# KiCad board Panel2.kicad_pcb (continued)
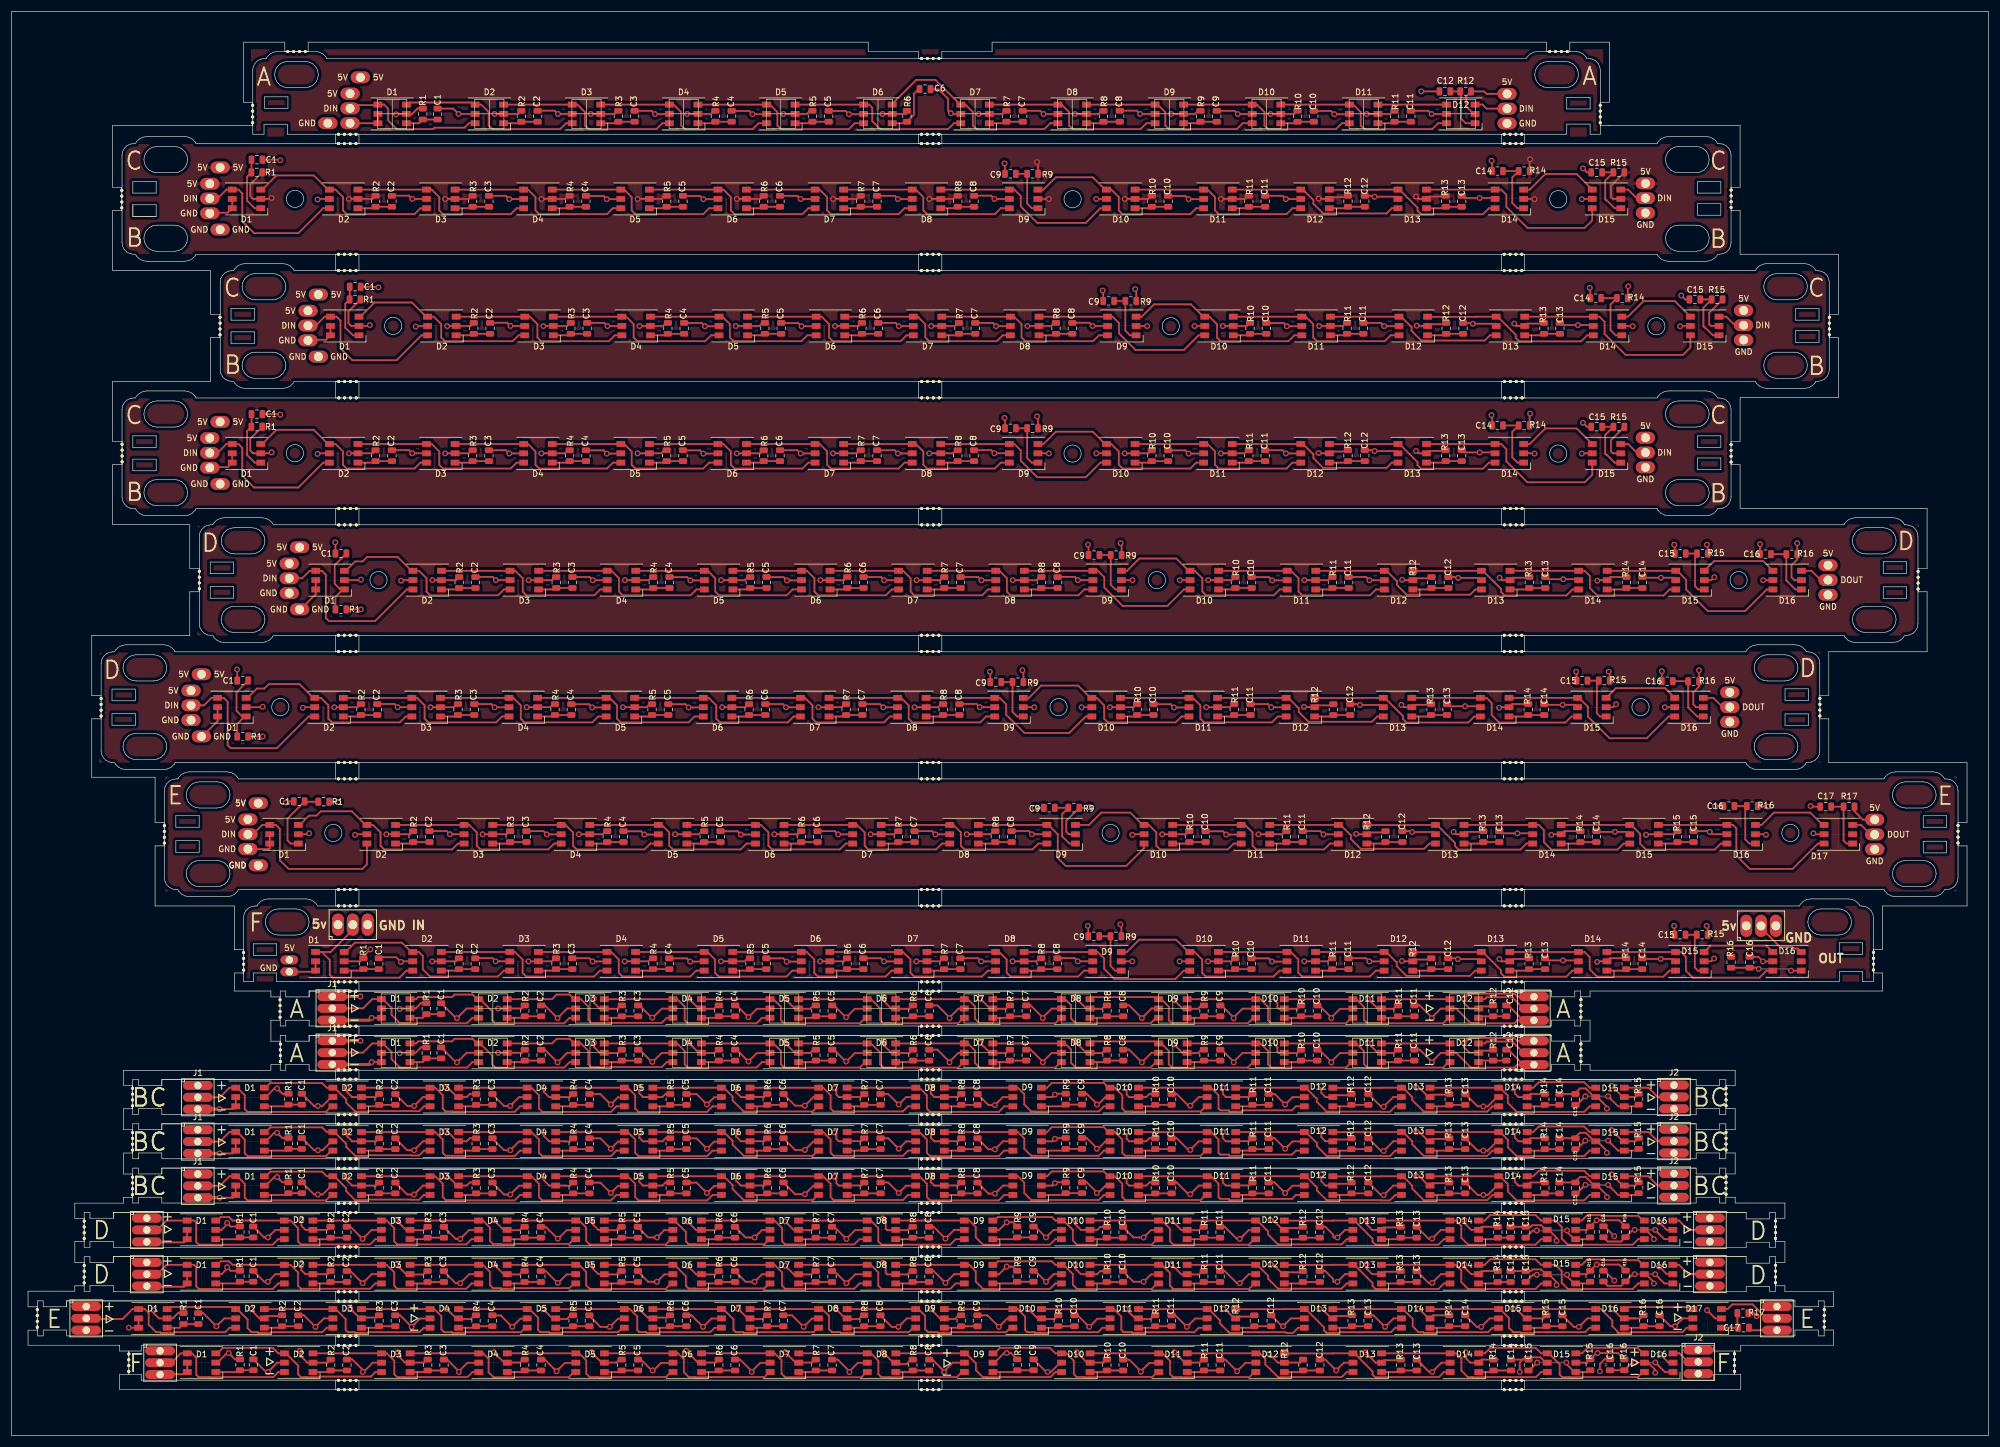
[diagram p0: board, top side]
## Routing (per net, layer and track width the routed paths; a pad name or vN(x,y) marks a point on that pad's centre or on a via; arc(x,y) is an arc through that point)
+5V: length 77.8
  Top w0.3: 195.54,212.78 195.01,212.25 190.97,212.25 v1(190.96,212.24) ; v1(207.47,212.24) 207.48,212.25 211.52,212.25 212.05,212.78 ; 111.97,212.78 111.44,212.25 107.4,212.25 v1(107.39,212.24) ; v1(90.88,212.24) 90.89,212.25 94.93,212.25 95.46,212.78 ; 128.99,212.78 128.46,212.25 124.42,212.25 v1(124.41,212.24) ; v1(140.92,212.24) 140.93,212.25 144.97,212.25 145.5,212.78 ; v1(57.86,212.24) 57.87,212.25 D2.2 61.91,212.25 R2.1 ; v1(157.43,212.24) 157.44,212.25 161.48,212.25 162.01,212.78 ; R12.1 229.04,212.56 226.38,212.56 D12.2 224.28,212.25 v1(224.23,212.3) ; 78.95,212.78 78.42,212.25 74.38,212.25 v1(74.37,212.24) ; v1(175.92,218.58) 176.1,218.41 R9.1 ; D14.2 261.22,212.25 v1(261.26,212.2) ; R13.1 245.91,212.66 243.14,212.66 D13.2 241.35,212.25 v1(240.94,212.66) ; R15.1 274.39,214.51 274.39,212.58 274.72,212.25 D15.2 ; v1(177.96,212.23) 177.94,212.25 D9.2 ; v1(260.5,219.06) 260.42,218.98 R14.1 ; v1(44.6,212.4) 44.45,212.25 D1.2 41.42,212.25 40.94,212.73 40.94,214.74 R1.1
GND: length 89
  Top w0.3: 87.88,212.23 v1(85.37,212.23) 84.82,212.78 81.81,212.78 ; 98.55,212.75 101.55,212.75 v1(102.11,212.2) 104.62,212.2 ; 121.18,212.2 v1(118.67,212.2) 118.11,212.75 115.11,212.75 ; 131.8,212.78 134.8,212.78 v1(135.36,212.23) 137.87,212.23 ; 148.49,212.78 151.49,212.78 v1(152.04,212.23) 154.56,212.23 ; 171.12,212.25 v1(168.61,212.25) 168.05,212.8 165.05,212.8 ; 198.37,212.75 201.38,212.75 v1(201.93,212.2) 204.44,212.2 ; 215.06,212.78 218.06,212.78 v1(218.62,212.23) 221.13,212.23 ; C14.2 253.98,218.73 v1(253.9,218.81) ; J1#17.3 34.09,209.88 37.07,209.88 D1.6 D1.5 ; D13.5 237.45,212.63 v1(233.83,212.63) 233.68,212.78 C12.2 ; v1(52.48,212.15) 52.58,212.25 D2.5 ; C15.2 270.26,216.8 v1(269.59,217.48) ; C13.2 249.15,212.4 v1(251.87,212.4) 254.35,212.4 D14.5 ; v1(46.09,218.88) 45.99,218.98 C1.2 ; 71.25,212.25 v1(68.73,212.25) 68.18,212.8 65.18,212.8 ; C9.2 170.41,218.25 v1(170.34,218.33) ; 270.76,212.66 D15.5 269.44,212.25 v1(269.39,212.2) ; v1(186.08,212.23) 186.1,212.25 D10.5
(no net): length 12244.3
  Top w0.3: 168.72,145.21 167.52,145.21 166.5,144.2 154.87,144.2 154.24,144.83 154.24,147.13 152.95,148.41 151.9,148.41 ; 151.88,123.4 150.67,123.4 149.66,122.39 138.02,122.39 137.39,123.02 137.39,125.31 136.1,126.6 135.05,126.6 ; 140.29,148.41 152.06,148.41 ; 123.44,126.6 135.21,126.6 ; 146.12,145.47 143.32,145.47 143.07,145.21 140.29,145.21 ; 129.27,123.66 126.48,123.66 126.22,123.4 123.44,123.4 ; 123.27,145.21 126.05,145.21 126.3,145.47 129.1,145.47 ; 106.43,123.4 109.2,123.4 109.46,123.66 112.25,123.66 ; 112.59,145.47 109.79,145.47 109.54,145.21 106.76,145.21 ; 95.74,123.66 92.95,123.66 92.69,123.4 89.92,123.4 ; 90.25,145.21 93.03,145.21 93.28,145.47 96.08,145.47 ; 73.41,123.4 76.18,123.4 76.44,123.66 79.23,123.66 ; D2#3.1 76.52,145.21 R2#3.2 C2#3.1 ; D2#2.1 59.67,123.4 R2#2.2 C2#2.1 ; 56.83,145.21 D1#3.1 ; 56.83,145.21 55.55,143.93 R1#3.2 ; 56.83,145.21 56.39,145.21 55.42,146.18 55.42,149.38 C1#3.1 ; 39.98,123.4 D1#2.1 ; 39.98,123.4 38.7,122.12 R1#2.2 ; 39.98,123.4 39.55,123.4 38.57,124.37 38.57,127.57 C1#2.1 ; 85.35,148.41 86.4,148.41 87.69,147.13 87.69,144.83 88.32,144.2 99.95,144.2 100.97,145.21 D4#3.6 ; 68.51,126.6 69.56,126.6 70.84,125.31 70.84,123.02 71.48,122.39 83.11,122.39 84.12,123.4 D4#2.6 ; D2#3.3 D3#3.4 ; D2#2.3 D3#2.4 ; D3#3.6 84.46,145.21 83.44,144.2 71.81,144.2 71.18,144.83 71.18,147.13 69.89,148.41 D2#3.4 68.59,148.41 66.22,150.78 60.97,150.78 60.2,150.01 58.93,150.01 57.33,148.41 D1#3.3 ; D3#2.6 67.61,123.4 66.6,122.39 54.97,122.39 54.33,123.02 54.33,125.31 53.05,126.6 D2#2.4 51.75,126.6 49.37,128.97 44.13,128.97 43.36,128.2 42.08,128.2 40.48,126.6 D1#2.3 ; 90.25,148.41 102.02,148.41 ; 73.41,126.6 85.17,126.6 ; 101.86,148.41 102.91,148.41 104.2,147.13 104.2,144.83 104.83,144.2 116.46,144.2 117.48,145.21 118.53,145.21 ; 85.02,126.6 86.07,126.6 87.35,125.31 87.35,123.02 87.99,122.39 99.62,122.39 100.63,123.4 101.68,123.4 ; 118.37,148.41 119.42,148.41 120.71,147.13 120.71,144.83 121.34,144.2 132.97,144.2 133.99,145.21 135.19,145.21 ; 101.53,126.6 102.58,126.6 103.86,125.31 103.86,123.02 104.5,122.39 116.13,122.39 117.14,123.4 118.35,123.4 ; 106.76,148.41 118.53,148.41 ; 89.92,126.6 101.68,126.6 ; 135.39,148.41 136.44,148.41 137.73,147.13 137.73,144.83 138.36,144.2 149.99,144.2 151.01,145.21 152.06,145.21 ; 118.54,126.6 119.59,126.6 120.88,125.31 120.88,123.02 121.51,122.39 133.15,122.39 134.16,123.4 135.21,123.4 ; 123.27,148.41 135.04,148.41 ; 106.43,126.6 118.19,126.6 ; 173.31,148.41 185.08,148.41 ; 156.46,126.6 168.23,126.6 ; 184.92,148.41 185.97,148.41 ; 168.07,126.6 169.12,126.6 ; D10#3.6 201.12,145.21 198.29,142.38 190.6,142.38 187.46,145.53 187.46,147.3 186.35,148.41 D9#3.4 ; D10#2.6 184.27,123.4 181.45,120.57 173.76,120.57 170.61,123.71 170.61,125.49 169.51,126.6 D9#2.4 ; 168.41,148.41 169.46,148.41 170.75,147.13 170.75,144.83 171.38,144.2 183.01,144.2 184.03,145.21 185.08,145.21 ; 151.56,126.6 152.61,126.6 153.9,125.31 153.9,123.02 154.53,122.39 166.17,122.39 167.18,123.4 168.23,123.4 ; 156.8,148.41 168.57,148.41 ; 139.95,126.6 151.72,126.6 ; D16#2.1 306.02,145.21 304.47,146.76 R16#2.2 304.45,151.27 C16#2.1 ; D16.1 289.17,123.4 287.62,124.95 R16.2 287.6,129.46 C16.1 ; 218.45,148.41 219.5,148.41 220.78,147.13 220.78,144.83 221.42,144.2 233.05,144.2 234.06,145.21 235.27,145.21 ; 201.6,126.6 202.65,126.6 203.94,125.31 203.94,123.02 204.57,122.39 216.2,122.39 217.22,123.4 218.42,123.4 ; 206.84,148.41 218.6,148.41 ; 189.99,126.6 201.76,126.6 ; 223.35,148.41 235.11,148.41 ; 206.5,126.6 218.27,126.6 ; D13#3.6 251.12,145.21 250.22,144.31 239.33,144.31 237.66,145.98 237.66,146.62 235.87,148.41 D12#3.4 ; D13#2.6 234.27,123.4 233.37,122.5 222.48,122.5 220.82,124.17 220.82,124.81 219.02,126.6 D12#2.4 ; D15#3.1 289.35,145.21 288.81,145.76 288.81,151.04 R15#3.2 C15#3.1 ; D15#2.1 272.5,123.4 271.96,123.94 271.96,129.22 R15#2.2 C15#2.1 ; D14#3.1 276.78,145.21 R14#3.2 C14#3.1 ; D14#2.1 259.93,123.4 R14#2.2 C14#2.1 ; D13#3.1 260.11,145.21 R13#3.2 C13#3.1 ; D13#2.1 243.26,123.4 R13#2.2 C13#2.1 ; D13#3.3 D14#3.4 269.88,148.41 270.77,147.53 270.77,145.44 272.04,144.17 283.41,144.17 284.45,145.21 D15#3.6 ; D13#2.3 D14#2.4 253.04,126.6 253.92,125.71 253.92,123.63 255.19,122.36 266.57,122.36 267.6,123.4 D15#2.6 ; D15#3.3 292.07,150.08 300.49,150.08 D16#2.4 ; D15#2.3 275.23,128.27 283.65,128.27 D16.4 ; J2#2.2 310.38,146.82 308.79,148.41 D16#2.3 ; J2.2 293.53,125.01 291.95,126.6 D16.3 ; D14#3.3 D15#3.4 285.75,148.41 287.28,146.88 287.28,145.19 290.98,141.48 297.39,141.48 301.12,145.21 D16#2.6 ; D14#2.3 D15#2.4 268.9,126.6 270.43,125.07 270.43,123.38 274.14,119.67 280.54,119.67 284.27,123.4 D16.6 ; 152.2,146.79 v1(149.69,146.79) 149.13,147.34 146.13,147.34 ; 135.36,124.98 v1(132.84,124.98) 132.29,125.53 129.29,125.53 ; 300.75,146.8 300.76,146.81 D16#2.5 ; 283.9,124.98 283.91,125 D16.5 ; 185.45,146.81 v1(182.94,146.81) 182.38,147.37 179.38,147.37 ; 168.6,125 v1(166.09,125) 165.54,125.56 162.53,125.56 ; 162.82,147.34 165.82,147.34 v1(166.38,146.79) 168.89,146.79 ; 145.97,125.53 148.98,125.53 v1(149.53,124.98) 152.04,124.98 ; 212.71,147.32 215.71,147.32 v1(216.26,146.76) 218.78,146.76 ; 195.86,125.51 198.86,125.51 v1(199.42,124.95) 201.93,124.95 ; 229.39,147.34 232.4,147.34 v1(232.95,146.79) 235.46,146.79 ; 212.55,125.53 215.55,125.53 v1(216.1,124.98) 218.62,124.98 ; D14#3.5 268.68,146.97 v1(266.2,146.97) 263.48,146.97 C13#3.2 ; D14#2.5 251.83,125.15 v1(249.35,125.15) 246.64,125.15 C13#2.2 ; C12#3.2 248.02,147.34 v1(248.16,147.19) 251.78,147.19 D13#3.5 ; C12#2.2 231.17,125.53 v1(231.32,125.38) 234.94,125.38 D13#2.5 ; D15#3.5 285.09,147.22 v1(282.96,147.22) 279.9,147.22 C14#3.2 ; D15#2.5 268.25,125.41 v1(266.12,125.41) 263.05,125.41 C14#2.2 ; 85.58,146.81 v1(83.06,146.81) 82.51,147.37 79.51,147.37 ; 68.73,125 v1(66.22,125) 65.66,125.56 62.66,125.56 ; v1(66.81,146.71) 66.91,146.81 D2#3.5 ; v1(49.96,124.9) 50.06,125 D2#2.5 ; v1(299.96,152.98) 299.96,152.97 C16#2.2 ; v1(283.11,131.16) 283.11,131.16 C16.2 ; C9#3.2 184.75,152.81 v1(184.67,152.89) ; C9#2.2 167.9,131 v1(167.82,131.08) ; v1(200.42,146.8) 200.43,146.81 D10#3.5 ; v1(183.57,124.98) 183.58,125 D10#2.5 ; v1(285.25,152.89) 285.33,152.81 C15#3.2 ; v1(268.4,131.08) 268.48,131 C15#2.2 ; v1(55.52,153.28) 55.55,153.26 C1#3.2 ; v1(38.67,131.47) 38.7,131.45 C1#2.2 ; 218.6,145.21 217.55,145.21 216.54,144.2 204.91,144.2 204.27,144.83 204.27,147.13 202.99,148.41 201.94,148.41 ; 201.76,123.4 200.71,123.4 199.69,122.39 188.06,122.39 187.43,123.02 187.43,125.31 186.14,126.6 185.09,126.6 ; D10#3.4 201.92,148.41 199.81,150.52 193.47,150.52 191.36,148.41 D9#3.3 ; D10#2.4 185.07,126.6 182.96,128.71 176.63,128.71 174.52,126.6 D9#2.3 ; D12#3.3 240.42,148.39 248.72,148.39 248.75,148.41 D13#3.4 252.42,148.41 255.53,145.3 255.53,144.78 256.14,144.17 266.75,144.17 267.78,145.21 D14#3.6 ; D12#2.3 223.58,126.58 231.88,126.58 231.9,126.6 D13#2.4 235.57,126.6 238.68,123.49 238.68,122.97 239.29,122.36 249.9,122.36 250.94,123.4 D14#2.6 ; D1#3.5 D1#3.6 52.18,144.41 49.56,141.79 J1#2.3 ; D1#2.5 D1#2.6 35.33,122.6 32.71,119.98 J1.3 ; D12#3.1 243.34,145.21 R12#3.2 C12#3.1 ; D12#2.1 226.49,123.4 R12#2.2 C12#2.1 ; 223.35,145.21 226.12,145.21 226.38,145.47 229.17,145.47 ; 206.5,123.4 209.28,123.4 209.53,123.66 212.33,123.66 ; 206.84,145.21 209.61,145.21 209.87,145.47 212.66,145.47 ; 189.99,123.4 192.77,123.4 193.02,123.66 195.82,123.66 ; C9#3.1 R9#3.2 188.56,146.01 189.35,145.21 D9#3.1 ; C9#2.1 R9#2.2 171.71,124.2 172.51,123.4 D9#2.1 ; 179.14,145.47 176.34,145.47 176.09,145.21 173.31,145.21 ; 162.29,123.66 159.5,123.66 159.24,123.4 156.46,123.4 ; 162.63,145.47 159.83,145.47 159.58,145.21 156.8,145.21 ; 145.78,123.66 142.99,123.66 142.73,123.4 139.95,123.4 ; 92.95,125.53 92.42,125 88.38,125 v1(88.37,124.99) ; 109.79,147.34 109.26,146.81 105.22,146.81 v1(105.21,146.8) ; v1(138.4,124.99) 138.41,125 142.45,125 142.99,125.53 ; v1(155.25,146.8) 155.26,146.81 159.3,146.81 159.83,147.34 ; 76.44,125.53 75.91,125 71.87,125 v1(71.86,124.99) ; 93.28,147.34 92.75,146.81 88.71,146.81 v1(88.7,146.8) ; v1(104.88,124.99) 104.89,125 108.93,125 109.46,125.53 ; v1(121.72,146.8) 121.73,146.81 125.77,146.81 126.3,147.34 ; 126.48,125.53 125.94,125 121.9,125 v1(121.89,124.99) ; 143.32,147.34 142.79,146.81 138.75,146.81 v1(138.74,146.8) ; v1(154.91,124.99) 154.92,125 158.96,125 159.5,125.53 ; v1(171.76,146.8) 171.77,146.81 175.81,146.81 176.34,147.34 ; v1(204.95,124.99) 204.96,125 209,125 209.53,125.53 ; v1(221.8,146.8) 221.81,146.81 225.85,146.81 226.38,147.34 ; 193.02,125.53 192.49,125 188.45,125 v1(188.44,124.99) ; 209.87,147.34 209.34,146.81 205.3,146.81 v1(205.29,146.8) ; R12#2.1 226.52,125.31 223.86,125.31 D12#2.2 221.77,125 v1(221.72,125.05) ; R12#3.1 243.37,147.12 240.71,147.12 D12#3.2 238.62,146.81 v1(238.56,146.86) ; R13#2.1 243.4,125.41 240.63,125.41 D13#2.2 238.84,125 v1(238.43,125.41) ; R13#3.1 260.24,147.22 257.48,147.22 D13#3.2 255.69,146.81 v1(255.28,147.22) ; R14#2.1 257.42,125.53 D14#2.2 255.29,125 v1(255.19,124.9) ; R14#3.1 274.27,147.34 D14#3.2 272.14,146.81 v1(272.04,146.71) ; v1(55.35,124.99) 55.36,125 D2#2.2 59.4,125 R2#2.1 ; v1(72.19,146.8) 72.2,146.81 D2#3.2 76.24,146.81 R2#3.1 ; v1(289.49,131.33) 289.5,131.32 R16.1 289.5,128.55 288.51,127.56 288.51,125.49 289,125 D16.2 ; v1(306.33,153.15) 306.34,153.14 R16#2.1 306.34,150.36 305.36,149.37 305.36,147.31 305.85,146.81 D16#2.2 ; v1(173.41,131.33) 173.58,131.16 R9#2.1 ; v1(190.26,153.15) 190.43,152.97 R9#3.1 ; v1(175.44,124.98) 175.42,125 D9#2.2 ; v1(192.29,146.8) 192.27,146.81 D9#3.2 ; D15#2.2 274.77,125 v1(275.26,125.49) ; D15#3.2 291.62,146.81 v1(292.11,147.3) ; v1(273.99,131.08) 274.17,130.9 R15#2.1 ; v1(290.84,152.89) 291.01,152.72 R15#3.1 ; R1#3.1 v1(59.92,141.78) ; R1#2.1 v1(43.07,119.97) ; v1(59.92,146.88) 59.85,146.81 D1#3.2 ; v1(43.07,125.07) 43,125 D1#2.2 ; 52.15,148.39 D1#3.4 ; D1#3.4 53.23,148.41 53.9,147.74 53.9,140.3 54.42,139.78 62.37,139.78 67.79,145.21 D2#3.6 ; D1#3.4 51.13,148.41 49.84,147.12 J1#2.2 ; 35.31,126.58 D1#2.4 ; D1#2.4 36.38,126.6 37.06,125.92 37.06,118.49 37.57,117.97 45.52,117.97 50.95,123.4 D2#2.6 ; D1#2.4 34.28,126.6 32.99,125.31 J1.2 ; 102.22,146.79 v1(99.7,146.79) 99.15,147.34 96.15,147.34 ; 85.37,124.98 v1(82.85,124.98) 82.3,125.53 79.3,125.53 ; 112.88,147.32 115.89,147.32 v1(116.44,146.76) 118.95,146.76 ; 96.04,125.51 99.04,125.51 v1(99.59,124.95) 102.11,124.95 ; 135.52,146.76 v1(133,146.76) 132.45,147.32 129.44,147.32 ; 118.67,124.95 v1(116.15,124.95) 115.6,125.51 112.6,125.51 ; J1#3.2 58.53,86.78 54.73,82.97 D1#4.4 ; D1#4.4 53.19,82.97 54.58,81.58 54.58,79.07 55.09,78.56 66.55,78.56 67.76,79.77 D2#4.6 ; D1#4.4 52.12,82.95 ; v1(61.54,83.41) 60.34,82.21 R1#4.1 59.81,81.37 D1#4.2 ; v1(292.07,81.87) 291.58,81.37 D15#4.2 ; R15#4.1 290.98,87.28 v1(290.8,87.45) ; v1(190.22,87.71) 190.4,87.53 R9#4.1 ; D9#4.2 192.24,81.37 v1(192.25,81.36) ; v1(171.73,81.36) 171.74,81.37 175.78,81.37 176.31,81.91 ; R2#4.1 76.21,81.37 D2#4.2 72.17,81.37 v1(72.16,81.36) ; R14#4.1 274.23,81.91 D14#4.2 272.1,81.37 v1(272.01,81.28) ; v1(255.24,81.78) 255.65,81.37 D13#4.2 257.44,81.78 260.21,81.78 R13#4.1 ; v1(238.53,81.43) 238.58,81.37 D12#4.2 240.67,81.68 243.34,81.68 R12#4.1 ; 226.35,81.91 225.81,81.37 221.77,81.37 v1(221.76,81.36) ; v1(205.25,81.36) 205.26,81.37 209.3,81.37 209.84,81.91 ; v1(88.67,81.36) 88.68,81.37 92.72,81.37 93.25,81.91 ; 109.76,81.91 109.23,81.37 105.19,81.37 v1(105.18,81.36) ; v1(138.71,81.36) 138.72,81.37 142.76,81.37 143.29,81.91 ; 159.8,81.91 159.27,81.37 155.23,81.37 v1(155.22,81.36) ; v1(121.69,81.36) 121.7,81.37 125.74,81.37 126.27,81.91 ; 85.32,82.97 86.37,82.97 87.65,81.69 87.65,79.4 88.29,78.76 99.92,78.76 100.93,79.77 D4#4.6 ; C1#4.1 R1#4.2 60.08,79.77 D1#4.1 ; 79.47,81.93 82.47,81.93 v1(83.03,81.38) 85.54,81.38 ; D2#4.5 66.87,81.37 v1(66.77,81.28) 65.98,82.06 63.15,82.06 C1#4.2 ; C9#4.2 184.71,87.38 v1(184.63,87.45) ; v1(285.22,87.45) 285.29,87.38 C15#4.2 ; 300.71,81.36 300.72,81.37 D16#3.5 ; v1(200.38,81.36) 200.39,81.37 D10#4.5 ; J3.2 51.95,79.58 D1#4.6 D1#4.5 ; v1(300.46,81.36) 299.66,82.15 C16#3.2 ; 218.57,79.77 217.52,79.77 216.51,78.76 204.87,78.76 204.24,79.4 204.24,81.69 202.95,82.97 201.9,82.97 ; D10#4.4 201.88,82.97 199.77,85.09 193.44,85.09 191.33,82.97 D9#4.3 ; D12#4.3 240.39,82.95 248.69,82.95 248.71,82.97 D13#4.4 252.38,82.97 255.5,79.86 255.5,79.34 256.1,78.74 266.71,78.74 267.75,79.77 D14#4.6 ; D12#4.1 243.3,79.77 R12#4.2 C12#4.1 ; 223.31,79.77 226.09,79.77 226.35,80.03 229.14,80.03 ; 206.8,79.77 209.58,79.77 209.84,80.03 212.63,80.03 ; C9#4.1 R9#4.2 188.52,80.57 189.32,79.77 D9#4.1 ; 173.28,79.77 176.05,79.77 176.31,80.03 179.1,80.03 ; 162.59,80.03 159.8,80.03 159.54,79.77 156.77,79.77 ; 140.26,79.77 143.03,79.77 143.29,80.03 146.08,80.03 ; 123.24,79.77 126.01,79.77 126.27,80.03 129.06,80.03 ; 106.73,79.77 109.5,79.77 109.76,80.03 112.55,80.03 ; 96.04,80.03 93.25,80.03 92.99,79.77 90.22,79.77 ; D2#4.1 76.48,79.77 R2#4.2 C2#4.1 ; 168.38,82.97 169.43,82.97 170.71,81.69 170.71,79.4 171.34,78.76 182.98,78.76 183.99,79.77 185.04,79.77 ; 156.77,82.97 168.53,82.97 ; 173.28,82.97 185.04,82.97 ; 184.89,82.97 185.94,82.97 ; D10#4.6 201.08,79.77 199.63,78.32 189.19,78.32 187.43,80.09 187.43,81.87 186.32,82.97 D9#4.4 ; D1#4.3 57.29,82.97 58.89,84.58 60.17,84.58 ; 60.17,84.58 60.93,84.58 ; 60.17,84.58 66.95,84.58 68.56,82.97 D2#4.4 69.86,82.97 70.54,82.29 70.54,80 71.78,78.76 83.41,78.76 84.42,79.77 D3#4.6 ; D2#4.3 D3#4.4 ; 101.83,82.97 102.88,82.97 104.16,81.69 104.16,79.4 104.8,78.76 116.43,78.76 117.44,79.77 118.49,79.77 ; 151.87,82.97 152.92,82.97 154.2,81.69 154.2,79.4 154.83,78.76 166.47,78.76 167.48,79.77 168.69,79.77 ; 140.26,82.97 152.02,82.97 ; 135.16,79.77 133.95,79.77 132.94,78.76 121.31,78.76 120.67,79.4 120.67,81.69 119.39,82.97 118.34,82.97 ; 106.73,82.97 118.49,82.97 ; 135.36,82.97 136.41,82.97 137.69,81.69 137.69,79.4 138.32,78.76 149.96,78.76 150.97,79.77 152.02,79.77 ; 90.22,82.97 101.98,82.97 ; 123.24,82.97 135,82.97 ; 206.8,82.97 218.57,82.97 ; 235.23,79.77 234.03,79.77 233.02,78.76 221.38,78.76 220.75,79.4 220.75,81.69 219.46,82.97 218.41,82.97 ; 223.31,82.97 235.08,82.97 ; D13#4.6 251.08,79.77 250.18,78.87 239.3,78.87 237.63,80.54 237.63,81.18 235.84,82.97 D12#4.4 ; R16#3.2 C16#3.1 299.53,80.28 v1(299.74,80.06) ; D16#3.1 307.02,79.76 v1(305.29,79.76) ; D15#4.1 289.32,79.77 288.77,80.32 288.77,85.6 R15#4.2 C15#4.1 ; D14#4.1 276.74,79.77 R14#4.2 C14#4.1 ; D13#4.3 D14#4.4 269.85,82.97 270.74,82.09 270.74,80.01 272.01,78.74 283.38,78.74 284.42,79.77 D15#4.6 ; D13#4.1 260.07,79.77 R13#4.2 C13#4.1 ; D16#3.3 306.44,83.56 305.69,83.56 305.44,83.81 303.43,83.81 300.13,87.11 J2#3.2 ; D16#3.6 301.08,79.77 299.87,78.56 288.43,78.56 287.25,79.75 287.25,82.12 286.39,82.97 D15#4.4 D14#4.3 ; D16#3.4 301.04,84.06 291.46,84.06 D15#4.3 ; C14#4.2 279.86,81.78 v1(282.93,81.78) 285.06,81.78 D15#4.5 ; C12#4.2 247.98,81.91 v1(248.13,81.76) 251.75,81.76 D13#4.5 ; C13#4.2 263.45,81.53 v1(266.16,81.53) 268.64,81.53 D14#4.5 ; 235.43,81.35 v1(232.91,81.35) 232.36,81.91 229.36,81.91 ; 212.67,81.88 215.67,81.88 v1(216.23,81.33) 218.74,81.33 ; 118.92,81.33 v1(116.4,81.33) 115.85,81.88 112.85,81.88 ; 179.35,81.93 182.35,81.93 v1(182.9,81.38) 185.42,81.38 ; 152.17,81.35 v1(149.65,81.35) 149.1,81.91 146.1,81.91 ; 162.79,81.91 165.79,81.91 v1(166.34,81.35) 168.86,81.35 ; 96.11,81.91 99.11,81.91 v1(99.67,81.35) 102.18,81.35 ; 129.41,81.88 132.41,81.88 v1(132.97,81.33) 135.48,81.33 ; 85.39,103.72 84.86,103.19 80.82,103.19 v1(80.81,103.18) ; v1(113.83,103.18) 113.84,103.19 117.88,103.19 118.41,103.72 ; 101.9,103.72 101.37,103.19 97.33,103.19 v1(97.32,103.18) ; 135.43,103.72 134.9,103.19 130.86,103.19 v1(130.85,103.18) ; v1(147.36,103.18) 147.37,103.19 151.41,103.19 151.94,103.72 ; v1(163.87,103.18) 163.88,103.19 167.92,103.19 168.45,103.72 ; v1(213.91,103.18) 213.92,103.19 217.96,103.19 218.49,103.72 ; 201.98,103.72 201.45,103.19 197.41,103.19 v1(197.4,103.18) ; R12#5.1 235.48,103.49 232.82,103.49 D12#5.2 230.72,103.19 v1(230.67,103.24) ; v1(264.15,103.09) 264.25,103.19 D14#5.2 266.37,103.72 R14#5.1 ; R13#5.1 252.35,103.6 249.58,103.6 D13#5.2 247.79,103.19 v1(247.38,103.6) ; R15#5.1 285.28,103.19 D15#5.2 280.5,103.19 v1(280.4,103.09) ; 298.92,103.19 D16#4.2 300.88,103.19 v1(300.98,103.09) ; 132.4,101.59 135.17,101.59 135.43,101.84 138.22,101.84 ; 194.05,104.79 195.1,104.79 196.38,103.5 196.38,101.21 197.02,100.57 208.65,100.57 209.66,101.59 210.71,101.59 ; D10#5.4 194.03,104.79 191.92,106.9 186.93,106.9 184.82,104.79 D9#5.3 ; 165.42,101.59 168.19,101.59 168.45,101.84 171.24,101.84 ; D12#5.3 232.53,104.76 240.83,104.76 240.85,104.79 D13#5.4 244.52,104.79 247.64,101.67 247.64,101.15 248.24,100.55 258.85,100.55 259.89,101.59 D14#5.6 ; 154.73,101.84 151.94,101.84 151.68,101.59 148.91,101.59 ; D9#5.1 181.46,101.59 180.23,102.82 180.23,106.66 R9#5.2 C9#5.1 ; 204.77,101.84 201.98,101.84 201.72,101.59 198.95,101.59 ; 215.46,101.59 218.23,101.59 218.49,101.84 221.28,101.84 ; C12#5.1 R12#5.2 235.45,101.59 D12#5.1 ; 144.16,101.59 143.11,101.59 142.1,100.57 130.47,100.57 129.83,101.21 129.83,103.5 128.55,104.79 127.5,104.79 ; 115.38,104.79 127.15,104.79 ; D13#5.5 243.89,103.57 v1(240.27,103.57) 240.12,103.72 C12#5.2 ; D14#5.5 260.79,103.34 v1(258.31,103.34) 255.59,103.34 C13#5.2 ; D15#5.5 277.2,103.6 v1(275.07,103.6) 272,103.6 C14#5.2 ; 121.55,103.69 124.55,103.69 v1(125.11,103.14) 127.62,103.14 ; 138.24,103.72 141.24,103.72 v1(141.8,103.16) 144.31,103.16 ; 111.06,103.14 v1(108.55,103.14) 107.99,103.69 104.99,103.69 ; 88.25,103.72 91.25,103.72 v1(91.81,103.16) 94.32,103.16 ; R2#5.1 68.35,103.19 D2#5.2 64.31,103.19 v1(64.3,103.18) ; v1(51.04,103.34) 50.89,103.19 D1#5.2 ; D1#5.4 42.99,104.79 41.38,103.17 40.38,103.17 ; D1#5.4 44.26,104.76 ; D1#5.4 45.33,104.79 46.01,104.11 46.01,98.72 47.49,97.25 60.19,97.25 60.95,98.01 D2#5.6 ; D1#5.5 D1#5.6 44.28,100.79 44.13,100.63 40.38,100.63 ; v1(184.93,107.82) 184.83,107.72 R9#5.1 180.93,105.49 180.93,103.62 181.36,103.19 D9#5.2 ; J2#4.1 317.6,105.69 316.17,107.12 R17.1 ; R16#4.1 301.23,108.02 v1(301.33,107.92) ; v1(56.03,108.72) 55.99,108.76 R1#5.1 ; 154.93,103.72 157.93,103.72 v1(158.48,103.16) 161,103.16 ; 177.56,103.19 v1(175.04,103.19) 174.49,103.74 171.49,103.74 ; 204.81,103.69 207.81,103.69 v1(208.37,103.14) 210.88,103.14 ; 221.5,103.72 224.5,103.72 v1(225.06,103.16) 227.57,103.16 ; C9#5.2 v1(175.53,107.72) ; v1(309.11,103.34) 309.26,103.19 D17.5 ; D2#5.5 59.01,103.19 v1(58.92,103.09) ; 77.69,103.19 v1(75.17,103.19) 74.62,103.74 71.62,103.74 ; D16#4.5 291.73,103.19 v1(291.33,103.6) 291.2,103.72 C15#5.2 ; D10#5.5 192.36,103.19 v1(192.27,103.09) ; C1#5.2 47.23,108.82 v1(47.03,108.62) ; C16#4.2 v1(292.23,108.02) ; 308.93,108.02 309.03,107.92 C17.2 ; 160.52,104.79 161.57,104.79 162.85,103.5 162.85,101.21 163.49,100.57 175.12,100.57 176.13,101.59 177.18,101.59 ; 132.4,104.79 144.16,104.79 ; 144.01,104.79 145.06,104.79 146.34,103.5 146.34,101.21 146.98,100.57 158.61,100.57 159.62,101.59 160.83,101.59 ; 148.91,104.79 160.67,104.79 ; 177.03,104.79 178.08,104.79 ; 165.42,104.79 177.18,104.79 ; D10#5.6 194.28,100.78 191.25,97.75 180.84,97.75 179.48,99.11 179.48,103.17 177.86,104.79 D9#5.4 ; 98.87,104.79 110.64,104.79 ; 127.3,101.59 126.1,101.59 125.08,100.57 113.45,100.57 112.81,101.21 112.81,103.5 111.53,104.79 110.48,104.79 ; 110.64,101.59 109.59,101.59 108.57,100.57 96.94,100.57 96.3,101.21 96.3,103.5 95.02,104.79 93.97,104.79 ; D3#5.6 76.57,101.59 75.55,100.57 63.92,100.57 63.28,101.21 63.28,103.5 62,104.79 D2#5.4 60.7,104.79 58.36,107.12 53.05,107.12 52.31,106.39 51.04,106.39 49.43,104.79 D1#5.3 ; D2#5.3 D3#5.4 ; D4#5.6 93.08,101.59 92.06,100.57 80.43,100.57 79.79,101.21 79.79,103.5 78.51,104.79 77.46,104.79 ; 82.36,104.79 94.13,104.79 ; 121.21,101.84 118.41,101.84 118.16,101.59 115.38,101.59 ; R1#5.2 50.33,108.76 C1#5.1 47.33,105.89 47.33,102.12 47.86,101.59 D1#5.1 ; C2#5.1 R2#5.2 68.63,101.59 D2#5.1 ; 88.19,101.84 85.39,101.84 85.14,101.59 82.36,101.59 ; 104.7,101.84 101.9,101.84 101.65,101.59 98.87,101.59 ; 210.56,104.79 211.61,104.79 212.89,103.5 212.89,101.21 213.53,100.57 225.16,100.57 226.17,101.59 227.38,101.59 ; 198.95,104.79 210.71,104.79 ; 215.46,104.79 227.22,104.79 ; D13#5.6 243.22,101.59 